# Altium PCB A1_v40.PcbDoc (part 2 of 2)
Units mm, origin at the board's own origin, x right, y up, seen from the top; angles counter-clockwise.
Board outline 100 x 80 mm, 2 copper layers (Top Layer, Bottom Layer); 81 components, 87 nets, 322 pads, 40 vias.
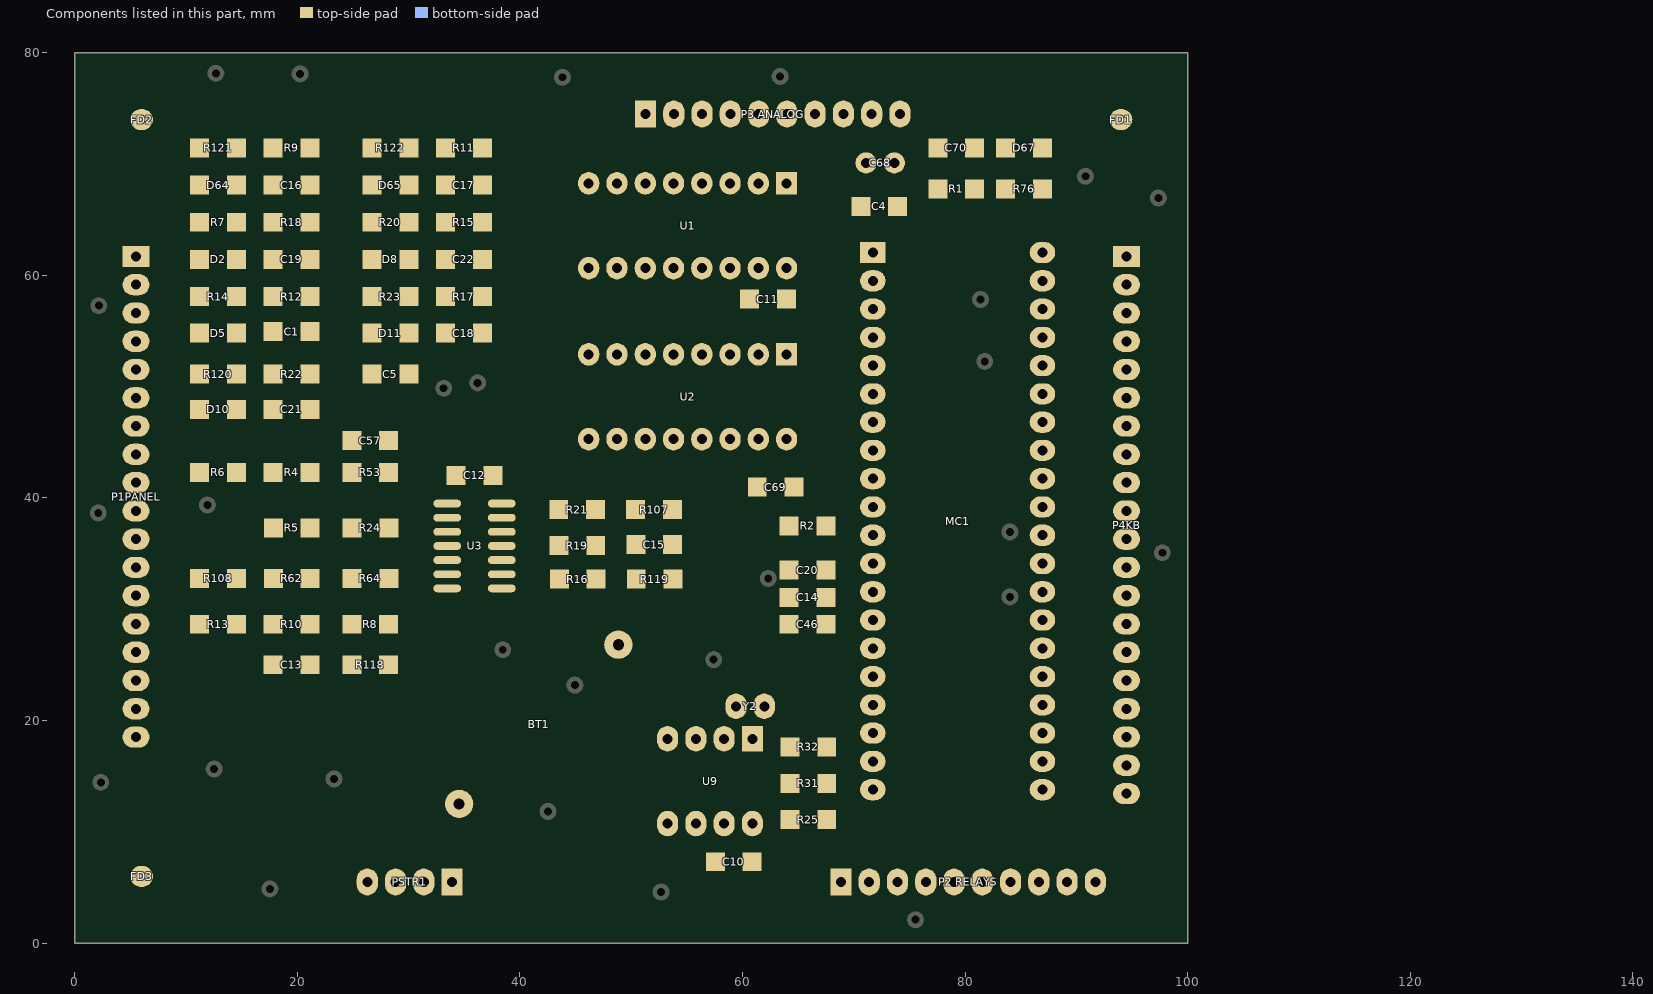
[diagram p2: the components of this part, seen from the top]

## Polygon pours and split planes (outlines as drawn) (continued)
FLDIRIN on Top Layer "FLDIRIN_L01_P066" (solid, pour order 66): 22.276,38.684 22.912,38.684 cw(c22.912,37.644) 23.647,38.379 23.756,38.271 cw(c22.975,37.49) 24.079,37.49 25.123,37.49 ccw(c25.123,38.097) 25.552,37.668 ccw(c25.123,38.097) 25.73,38.097 25.73,38.151 25.377,38.151 cw(c25.377,40.059) 24.028,38.71 ccw(c23.17,37.851) 23.17,39.065 22.745,39.065 ccw(c22.745,38.545) 22.377,38.913
NetR4_2 on Top Layer "NETR4_2_L01_P064" (solid, pour order 64): 13.767,41.427 17.312,41.427 cw(c17.312,38.887) 19.108,40.683 19.761,40.03 19.764,40.03 ccw(c19.764,40.637) 20.193,40.208 19.064,41.337 cw(c20.018,42.291) 18.669,42.291 ccw(c17.504,42.291) 18.328,43.115 18.288,43.155 14.338,43.155 ccw(c14.338,42.634) 13.97,43.002 cw(c13.847,42.88) 14.021,42.88 14.021,42.799
GND on Top Layer "GND_L01_P062" (solid, pour order 62): 18 vertices, not listed, extent 36.22,40.259 40.996,43.815
VCC on Top Layer "VCC_L01_P060" (solid, pour order 60): 27 vertices, not listed, extent 31.521,40.361 35.56,46.431
VCC on Top Layer "VCC_L01_P058" (solid, pour order 58): 20 vertices, not listed, extent 25.857,70.053 28.829,75.336
GND on Top Layer "GND_L01_P056" (solid, pour order 56): 19 vertices, not listed, extent 33.604,59.624 35.128,63.027
VCC on Top Layer "VCC_L01_P054" (solid, pour order 54): 19 vertices, not listed, extent 27,62.961 28.524,66.365
VCC on Top Layer "VCC_L01_P052" (solid, pour order 52): 19 vertices, not listed, extent 27,56.286 28.524,59.69
VCC on Top Layer "VCC_L01_P050" (solid, pour order 50): 23 vertices, not listed, extent 23.825,50.292 28.499,55.042
LLOP on Top Layer "LLOP_L01_P048" (solid, pour order 48): 17 vertices, not listed, extent 20.295,60.681 23.012,67.869
FLT1 on Top Layer "FLT1_L01_P046" (solid, pour order 46): 20.295,67.513 20.295,72.684 cw(c22.835,72.684) 21.039,74.48 23.203,76.644 cw(c24.46,75.387) 24.46,77.165 ccw(c25.135,77.84) 25.135,76.886 25.654,76.886 25.375,76.606 24.978,76.606 ccw(c24.978,75.479) 24.181,76.276 22.715,74.81 ccw(c24.511,73.014) 21.971,73.014 21.971,68.706
GND on Top Layer "GND_L01_P044" (solid, pour order 44): 19.202,59.893 19.202,60.171 ccw(c18.769,60.171) 19.075,60.477 ccw(c18.83,60.232) 18.83,60.579 18.542,60.579 cw(c18.665,60.702) 18.491,60.702 18.491,62.281 18.672,62.281 ccw(c18.672,62.888) 19.101,62.459 ccw(c18.856,62.704) 19.202,62.704 19.202,63.246 19.406,63.246
GND on Top Layer "GND_L01_P042" (solid, pour order 42): 18.085,67.259 18.58,67.259 cw(c18.58,66.739) 18.948,67.107 cw(c18.335,66.494) 19.202,66.494 19.202,66.37 19.369,66.537 ccw(c18.545,67.361) 19.71,67.361 19.046,68.025 cw(c19.957,68.936) 18.669,68.936 cw(c18.301,69.304) 18.301,68.783 18.085,68.783
VCC on Top Layer "VCC_L01_P040" (solid, pour order 40): 17 vertices, not listed, extent 11.278,63.094 12.903,66.777
VCC on Top Layer "VCC_L01_P038" (solid, pour order 38): 18 vertices, not listed, extent 11.887,56.083 13.081,60.046
VCC on Top Layer "VCC_L01_P036" (solid, pour order 36): 12.065,50.292 12.065,51.013 cw(c13.453,51.013) 12.471,51.994 ccw(c10.816,53.649) 13.157,53.649 13.157,53.823 12.796,54.184 cw(c13.273,54.661) 12.598,54.661 12.598,53.627 cw(c10.864,53.627) 12.09,52.4 cw(c11.109,53.381) 11.109,51.994 10.795,51.994 ccw(c10.979,51.81) 10.719,51.81 10.719,51.74
GND on Top Layer "GND_L01_P034" (solid, pour order 34): 27 vertices, not listed, extent 18.364,51.994 20.549,56.871
GND on Top Layer "GND_L01_P032" (solid, pour order 32): 29 vertices, not listed, extent 16.612,44.323 25.273,50.571
FLDIRIN on Top Layer "FLDIRIN_L01_P030" (solid, pour order 30): 25 vertices, not listed, extent 12.624,36.449 20.345,42.393
FLDIRIN on Top Layer "FLDIRIN_L01_P028" (solid, pour order 28): 12.624,42.748 ccw(c10.294,42.748) 11.941,44.396 11.811,44.526 11.979,44.694 ccw(c10.852,45.822) 12.446,45.822 cw(c12.446,45.27) 12.836,45.66 12.929,45.568 cw(c12.561,45.2) 13.081,45.2 13.081,43.561 ccw(c13.633,43.009) 12.852,43.009 12.852,42.456
BTS+_R on Top Layer "BTS+_R_L01_P026" (solid, pour order 26): 13.691,32.715 13.691,36.035 cw(c14.384,36.035) 13.894,36.525 ccw(c14.875,37.506) 14.875,36.119 15.215,36.119 15.215,34.518 ccw(c16.255,34.518) 15.519,33.782 ccw(c15.949,34.211) 15.949,33.604 18.694,33.604 18.694,32.148 cw(c18.348,32.148) 18.593,31.902 ccw(c18.47,31.78) 18.47,31.953 14.351,31.953
GND on Top Layer "GND_L01_P024" (solid, pour order 24): 22.352,31.039 22.558,31.039 ccw(c22.558,32.687) 23.724,31.521 23.828,31.626 ccw(c23.221,32.233) 24.079,32.233 ccw(c24.079,32.968) 24.6,32.448 25.095,32.944 25.461,32.578 cw(c24.81,31.928) 25.73,31.928 ccw(c25.73,29.966) 24.343,31.353 23.941,30.951 cw(c22.987,31.905) 22.987,30.556 22.631,30.556 cw(c22.631,31.597) 21.895,30.861
GND on Top Layer "GND_L01_P022" (solid, pour order 22): 28 vertices, not listed, extent 7.925,24.181 19.736,35.179
BTS+_R on Top Layer "BTS+_R_L01_P020" (solid, pour order 20): 5.512,37.897 6.746,37.897 cw(c6.746,35.357) 8.542,37.153 10.312,35.382 cw(c10.68,35.382) 10.42,35.642 11.278,36.5 8.72,39.058 ccw(c6.923,37.262) 6.923,39.802 5.486,39.802
BTS-_R on Top Layer "BTS-_R_L01_P018" (solid, pour order 18): 12.649,30.556 ccw(c13.508,30.556) 12.901,29.949 13.259,29.591 cw(c12.278,28.61) 13.665,28.61 13.665,28.448 ccw(c15.198,29.981) 15.198,27.813 17.424,27.813 17.424,29.464 14.714,29.464 cw(c14.714,31.198) 13.487,29.972 cw(c14.407,30.892) 13.106,30.892 13.106,31.242 12.957,31.391 ccw(c12.827,31.261) 12.827,31.445
BTS-_R on Top Layer "BTS-_R_L01_P016" (solid, pour order 16): 17 vertices, not listed, extent 5.41,34.595 13.106,42.316
GND on Top Layer "GND_L01_P014" (solid, pour order 14): 8.484,43.383 9.35,43.383 cw(c9.35,42.776) 9.779,43.205 ccw(c10.024,43.451) 10.024,43.104 10.744,43.104 ccw(c12.829,43.104) 11.355,41.63 11.582,41.402 9.606,41.402 cw(c9.606,43.743) 7.95,42.088 ccw(c7.705,42.333) 8.052,42.333 8.052,42.723
CONT_S_IN on Top Layer "CONT_S_IN_L01_P012" (solid, pour order 12): 18 vertices, not listed, extent 5.461,42.977 12.065,47.955
REMOTIN on Top Layer "REMOTIN_L01_P010" (solid, pour order 10): 23 vertices, not listed, extent 5.359,45.517 10.973,55.651
FLDIRIN on Top Layer "FLDIRIN_L01_P008" (solid, pour order 8): 7.087,47.727 7.087,47.979 cw(c7.52,47.979) 7.214,48.285 ccw(c6.784,48.715) 7.391,48.715 7.391,49.366 ccw(c5.83,49.366) 6.934,50.47 ccw(c6.628,50.163) 6.628,50.597 5.588,50.597 5.588,52.476 6.102,52.476 cw(c6.102,50.222) 7.696,51.816 7.867,51.646 cw(c6.071,49.849) 8.611,49.849 8.611,47.701
LLOPIN on Top Layer "LLOPIN_L01_P006" (solid, pour order 6): 20 vertices, not listed, extent 5.461,55.677 11.303,62.281
FLT1IN on Top Layer "FLT1IN_L01_P004" (solid, pour order 4): 4.318,64.556 cw(c6.858,64.556) 5.062,66.352 7.036,68.326 cw(c8.508,66.854) 8.508,68.936 11.582,68.936 11.582,67.898 ccw(c12.45,67.898) 11.836,67.285 9.637,67.285 ccw(c9.637,64.745) 7.841,66.541 7.424,66.124 ccw(c9.22,64.327) 6.68,64.327 6.68,61.747 cw(c6.435,61.993) 6.435,61.646 4.318,61.646
VCC on Top Layer "VCC_L01_P002" (solid, pour order 2): 19 vertices, not listed, extent 10.033,69.266 12.624,75.514
VCC on Top Layer "VCC_L01_P178" (solid, remove dead copper, pour order 178): 63.094,57.988 63.094,60.604 63.449,60.96 64.465,60.96 64.897,60.528 64.897,57.125 64.77,56.998 64.237,57.531 63.779,57.531
LLOP on Top Layer "LLOP_L01_P180" (solid, remove dead copper, pour order 180): 52.857,60.63 52.857,61.467 ccw(c51.383,61.467) 52.426,62.509 ccw(c51.935,62.019) 51.935,62.713 51.206,62.713 51.206,62.965 ccw(c50.773,62.965) 51.079,63.271 52.059,63.271 cw(c52.059,60.731) 53.855,62.527 54.204,62.179 cw(c52.916,60.891) 54.737,60.891 54.737,60.63
FLT1 on Top Layer "FLT1_L01_P182" (solid, remove dead copper, pour order 182): 55.397,60.63 55.397,62.094 ccw(c53.229,62.094) 54.762,63.627 54.02,64.369 ccw(c53.543,63.892) 53.543,64.567 53.634,64.567 cw(c53.634,62.027) 55.43,63.823 56.533,62.72 cw(c54.737,60.924) 57.277,60.924 57.277,60.63
DG-R_ on Top Layer "DG-R__L01_P184" (solid, remove dead copper, pour order 184): 57.963,60.579 57.963,62.041 ccw(c55.423,62.041) 57.219,63.838 56.177,64.88 ccw(c55.093,63.796) 55.093,65.329 55.093,65.42 cw(c55.179,65.42) 55.118,65.481 55.412,65.481 cw(c55.412,62.941) 57.208,64.737 59.073,62.872 cw(c57.277,61.076) 59.817,61.076 59.817,60.604
DG-Y_ on Top Layer "DG-Y__L01_P186" (solid, remove dead copper, pour order 186): 60.477,60.604 60.477,62.016 ccw(c57.937,62.016) 59.733,63.812 58.979,64.567 cw(c59.776,65.364) 58.649,65.364 58.649,65.71 61.613,62.745 cw(c59.817,60.949) 62.357,60.949 62.357,60.63
DG-R_ on Top Layer "DG-R__L01_P188" (solid, remove dead copper, pour order 188): 42.901,71.222 45.133,73.454 ccw(c45.003,73.584) 45.187,73.584 46.551,74.948 cw(c48.347,73.152) 48.347,75.692 51.181,75.692 51.181,73.672 ccw(c51.701,73.672) 51.333,73.304 46.671,73.304 ccw(c46.671,70.764) 44.874,72.56 43.383,71.069 ccw(c43.261,70.947) 43.261,71.12 43.155,71.12
DG-Y_ on Top Layer "DG-Y__L01_P190" (solid, remove dead copper, pour order 190): 51.232,70.993 ccw(c51.232,71.484) 51.579,71.137 52.68,72.238 ccw(c52.128,72.789) 52.908,72.789 52.908,74.447 54.701,74.447 cw(c54.701,74.361) 54.762,74.422 54.762,74.23 cw(c52.222,74.23) 54.018,72.433 52.509,70.924 cw(c50.713,72.72) 50.713,70.18 50.089,70.18 50.089,70.301 ccw(c49.829,70.301) 50.013,70.485
DG-B_ on Top Layer "DG-B__L01_P192" (solid, remove dead copper, pour order 192): 52.857,68.25 cw(c55.065,68.25) 53.504,69.811 54.679,70.986 ccw(c52.883,72.782) 55.423,72.782 55.423,74.473 cw(c55.484,74.411) 55.484,74.498 57.302,74.498 57.302,73.645 cw(c54.762,73.645) 56.558,71.849 55.481,70.772 ccw(c57.277,68.976) 54.737,68.976 54.737,68.326
EB-R_ on Top Layer "EB-R__L01_P194" (solid, remove dead copper, pour order 194): 55.397,68.199 cw(c57.482,68.199) 56.008,69.673 57.219,70.884 ccw(c55.423,72.68) 57.963,72.68 57.963,74.371 59.781,74.371 ccw(c59.781,74.458) 59.842,74.397 59.842,73.544 cw(c57.302,73.544) 59.098,71.748 58.021,70.67 ccw(c59.817,68.874) 57.277,68.874 57.277,68.301
EB-Y_ on Top Layer "EB-Y__L01_P196" (solid, remove dead copper, pour order 196): 60.477,68.275 60.477,74.749 cw(c61.345,74.749) 60.731,75.362 cw(c60.854,75.239) 60.854,75.413 62.103,75.413 cw(c61.428,74.738) 62.382,74.738 62.382,68.192 cw(c61.602,68.192) 62.154,67.64
EB-B_ on Top Layer "EB-B__L01_P198" (solid, remove dead copper, pour order 198): 63.017,68.25 63.017,74.702 cw(c64.058,74.702) 63.322,75.438 cw(c63.629,75.131) 63.629,75.565 64.465,75.565 64.491,75.539 cw(c63.451,74.498) 64.922,74.498 64.922,67.259 64.389,67.259
COMM1 on Top Layer "COMM1_L01_P200" (solid, remove dead copper, pour order 200): 21 vertices, not listed, extent 57.937,58.572 71.755,68.275
FREQ on Top Layer "FREQ_L01_P202" (solid, remove dead copper, pour order 202): 20 vertices, not listed, extent 65.583,62.179 76.581,74.574
VCC on Top Layer "VCC_L01_P204" (solid, remove dead copper, pour order 204): 71.476,65.354 71.476,68.293 cw(c72.169,68.293) 71.679,68.783 ccw(c70.82,69.642) 72.034,69.642 72.034,71.069 cw(c72.648,71.069) 72.214,71.503 72.263,71.552 ccw(c71.65,72.165) 72.517,72.165 72.517,74.574 ccw(c72.272,74.329) 72.272,74.676 70.663,74.676 70.663,71.6 cw(c70.056,71.6) 70.485,71.171 ccw(c72.141,69.515) 69.799,69.515 69.799,66.446
VCC on Top Layer "VCC_L01_P206" (solid, remove dead copper, pour order 206): 20 vertices, not listed, extent 70.663,66.929 84.48,78.08
GND on Top Layer "GND_L01_P208" (solid, remove dead copper, pour order 208): 22 vertices, not listed, extent 72.695,65.38 78.283,74.473
NetMC1_1 on Top Layer "NETMC1_1_L01_P210" (solid, remove dead copper, pour order 210): 24 vertices, not listed, extent 71.577,60.325 78.384,68.605
NetC70_1 on Top Layer "NETC70_1_L01_P212" (solid, remove dead copper, pour order 212): 21 vertices, not listed, extent 80.01,64.973 87.757,72.263
RL_BUZZER on Top Layer "RL_BUZZER_L01_P214" (solid, remove dead copper, pour order 214): 19 vertices, not listed, extent 66.65,36.652 71.73,50.292
SDA on Top Layer "SDA_L01_P216" (solid, remove dead copper, pour order 216): 31 vertices, not listed, extent 63.424,6.604 87.046,19.812
LED_MANUAL on Top Layer "LED_MANUAL_L01_P218" (solid, remove dead copper, pour order 218): 28 vertices, not listed, extent 80.594,5.385 94.564,29.591
RL_BUZZER on Top Layer "RL_BUZZER_L01_P220" (solid, remove dead copper, pour order 220): 74.905,16.332 ccw(c75.579,17.007) 75.579,16.053 75.641,16.053 ccw(c75.641,16.727) 76.118,16.25 76.2,16.332 ccw(c75.28,17.252) 76.581,17.252 76.581,40.284 ccw(c76.09,40.284) 76.437,40.631 76.225,40.843 ccw(c75.98,40.598) 75.98,40.945 75.685,40.945 ccw(c75.685,40.164) 75.133,40.716 ccw(c76.237,39.612) 74.676,39.612 74.676,16.739 ccw(c75.105,16.739) 74.802,16.435
DGSTOP on Top Layer "DGSTOP_L01_P222" (solid, remove dead copper, pour order 222): 27 vertices, not listed, extent 71.603,9.652 79.654,42.443
FREQ on Top Layer "FREQ_L01_P224" (solid, remove dead copper, pour order 224): 19 vertices, not listed, extent 80.035,20.879 82.398,43.459
AUTO on Top Layer "AUTO_L01_P226" (solid, remove dead copper, pour order 226): 21 vertices, not listed, extent 86.868,42.977 94.615,62.992
UP on Top Layer "UP_L01_P228" (solid, remove dead copper, pour order 228): 21 vertices, not listed, extent 86.919,40.437 94.64,60.452
DOWN on Top Layer "DOWN_L01_P230" (solid, remove dead copper, pour order 230): 21 vertices, not listed, extent 86.868,37.897 94.59,57.912
MENU on Top Layer "MENU_L01_P232" (solid, remove dead copper, pour order 232): 21 vertices, not listed, extent 86.919,35.357 94.513,55.372
RESET on Top Layer "RESET_L01_P234" (solid, remove dead copper, pour order 234): 21 vertices, not listed, extent 86.817,32.817 94.59,45.212
GND on Top Layer "GND_L01_P236" (solid, remove dead copper, pour order 236): 46 vertices, not listed, extent 73.711,11.379 87.071,64.16
GND on Bottom Layer "GND_L02_P340" (solid, pour order 340): 27 vertices, not listed, extent 72.695,45.39 97.968,69.24
GND on Bottom Layer "GND_L02_P338" (solid, pour order 338): 29 vertices, not listed, extent 1.016,65.532 36.83,78.969
GND on Bottom Layer "GND_L02_P336" (solid, pour order 336): 44 vertices, not listed, extent 1.016,1.168 30.734,73.913
GND on Bottom Layer "GND_L02_P334" (solid, pour order 334): 17 vertices, not listed, extent 26.187,47.066 38.303,56.718
GND on Bottom Layer "GND_L02_P332" (solid, pour order 332): 47.269,62.433 45.731,62.433 ccw(c45.731,59.893) 43.935,61.689 42.806,60.561 cw(c41.01,62.357) 41.01,59.817 30.516,59.817 cw(c30.516,62.357) 28.72,60.561 27.668,61.613 cw(c29.464,63.409) 26.924,63.409 26.924,66.37 29.462,68.908 ccw(c28.291,70.079) 29.947,70.079 32.987,67.038 ccw(c34.783,68.834) 34.783,66.294 48.438,66.294
GND on Bottom Layer "GND_L02_P330" (solid, remove dead copper, pour order 330): 48 vertices, not listed, extent 26.924,62.433 82.906,78.943
GND on Bottom Layer "GND_L02_P328" (solid, remove dead copper, pour order 328): 44 vertices, not listed, extent 57.887,1.219 99.111,78.943
GND on Bottom Layer "GND_L02_P326" (solid, pour order 326): 17 vertices, not listed, extent 13.97,1.194 41.58,5.944
GND on Bottom Layer "GND_L02_P324" (solid, remove dead copper, pour order 324): 51 vertices, not listed, extent 7.645,1.219 62.078,28.423
GND on Bottom Layer "GND_L02_P322" (solid, remove dead copper, pour order 322): 86 vertices, not listed, extent 7.62,12.573 71.679,42.774
S0 on Bottom Layer "S0_L02_P320" (solid, remove dead copper, pour order 320): 22 vertices, not listed, extent 42.164,52.019 52.197,60.63
S2 on Bottom Layer "S2_L02_P318" (solid, remove dead copper, pour order 318): 40.513,52.197 40.307,52.403 cw(c40.914,53.01) 40.056,53.01 40.056,53.891 cw(c40.75,53.891) 40.259,54.381 45.014,59.136 cw(c46.228,57.922) 46.228,59.639 46.228,61.671 45.541,60.984 cw(c45.237,61.288) 45.237,60.858 cw(c43.582,60.858) 44.752,59.688 39.835,54.77 ccw(c41.631,52.974) 39.091,52.974 39.091,51.791
S1 on Bottom Layer "S1_L02_P316" (solid, remove dead copper, pour order 316): 19 vertices, not listed, extent 40.564,53.061 49.657,60.681
S1 on Bottom Layer "S1_L02_P314" (solid, remove dead copper, pour order 314): 47.777,45.237 47.777,46.522 cw(c50.317,46.522) 48.521,48.318 48.616,48.412 cw(c50.149,46.879) 50.149,49.047 52.644,49.047 cw(c52.644,48.961) 52.705,49.022 cw(c52.644,48.961) 52.73,48.961 52.73,47.523 50.702,47.523 ccw(c50.702,46.656) 50.089,47.269 ccw(c51.131,46.227) 49.657,46.227 49.657,45.161
S2 on Bottom Layer "S2_L02_P312" (solid, remove dead copper, pour order 312): 18 vertices, not listed, extent 45.237,45.288 57.734,49.911
CONT_SENSE on Bottom Layer "CONT_SENSE_L02_P310" (solid, remove dead copper, pour order 310): 36 vertices, not listed, extent 42.215,45.237 59.284,50.927
FAULTIND on Bottom Layer "FAULTIND_L02_P308" (solid, remove dead copper, pour order 308): 20 vertices, not listed, extent 86.919,28.092 94.488,47.422
LCD_DB#7 on Bottom Layer "LCD_DB#7_L02_P306" (solid, remove dead copper, pour order 306): 25 vertices, not listed, extent 86.843,30.632 94.539,49.936
LCD_DB#6 on Bottom Layer "LCD_DB#6_L02_P304" (solid, remove dead copper, pour order 304): 27 vertices, not listed, extent 86.893,33.172 94.488,52.502
LCD_DB#5 on Bottom Layer "LCD_DB#5_L02_P302" (solid, remove dead copper, pour order 302): 29 vertices, not listed, extent 86.868,35.712 94.564,55.042
LCD_DB#4 on Bottom Layer "LCD_DB#4_L02_P300" (solid, remove dead copper, pour order 300): 20 vertices, not listed, extent 86.944,45.872 94.59,57.556
LCD_E# on Bottom Layer "LCD_E#_L02_P298" (solid, remove dead copper, pour order 298): 20 vertices, not listed, extent 86.893,48.412 94.564,60.096
LCD_RS# on Bottom Layer "LCD_RS#_L02_P296" (solid, remove dead copper, pour order 296): 20 vertices, not listed, extent 86.868,50.952 94.005,62.636
CONT_SENSE on Bottom Layer "CONT_SENSE_L02_P294" (solid, remove dead copper, pour order 294): 71.73,43.307 67.631,43.307 cw(c67.631,44.695) 66.65,43.713 cw(c67.079,44.143) 66.472,44.143 66.472,44.501 cw(c67.146,44.501) 66.669,44.978 66.827,45.136 cw(c67.011,44.952) 67.011,45.212 71.755,45.212
S2 on Bottom Layer "S2_L02_P292" (solid, remove dead copper, pour order 292): 67.005,47.092 cw(c67.312,47.092) 67.095,47.308 67.234,47.447 cw(c67.97,46.711) 67.97,47.752 71.78,47.752 71.78,45.934 cw(c71.694,45.934) 71.755,45.872 67.735,45.872 cw(c67.735,46.653) 67.183,46.101 cw(c67.674,46.592) 66.98,46.592 66.98,46.787
GCONTACT on Bottom Layer "GCONTACT_L02_P290" (solid, remove dead copper, pour order 290): 23 vertices, not listed, extent 85.674,5.309 94.539,24.536
MCONTACT on Bottom Layer "MCONTACT_L02_P288" (solid, remove dead copper, pour order 288): 27 vertices, not listed, extent 83.134,5.461 94.539,27.102
DGSTOP on Bottom Layer "DGSTOP_L02_P286" (solid, remove dead copper, pour order 286): 78.054,5.385 78.054,10.466 cw(c79.095,10.466) 78.359,11.201 cw(c78.788,10.772) 78.788,11.379 78.918,11.379 cw(c78.918,10.459) 79.568,11.11 79.604,11.074 cw(c78.806,10.277) 79.934,10.277 79.934,5.309
LED_MANUAL on Bottom Layer "LED_MANUAL_L02_P284" (solid, remove dead copper, pour order 284): 24 vertices, not listed, extent 71.704,5.309 83.261,27.432
FREQ on Bottom Layer "FREQ_L02_P282" (solid, remove dead copper, pour order 282): 19 vertices, not listed, extent 71.628,20.904 81.788,24.892
RL_7 on Bottom Layer "RL_7_L02_P280" (solid, remove dead copper, pour order 280): 17 vertices, not listed, extent 71.603,5.359 77.394,22.352
RL_BUZZER on Bottom Layer "RL_BUZZER_L02_P278" (solid, remove dead copper, pour order 278): 20 vertices, not listed, extent 72.974,5.461 76.352,17.805
RL_6 on Bottom Layer "RL_6_L02_P276" (solid, remove dead copper, pour order 276): 21 vertices, not listed, extent 70.434,5.486 74.117,17.272
RL_CRANK on Bottom Layer "RL_CRANK_L02_P274" (solid, remove dead copper, pour order 274): 69.799,5.055 69.799,7.203 cw(c72.339,7.203) 70.543,8.999 72.103,10.559 ccw(c70.307,12.355) 72.847,12.355 72.847,13.818 70.648,13.818 cw(c70.648,13.904) 70.587,13.843 70.587,11.06 cw(c68.047,11.06) 69.843,9.264 68.397,7.818 ccw(c69.611,6.604) 67.894,6.604
VCC on Bottom Layer "VCC_L02_P272" (solid, remove dead copper, pour order 272): 71.577,37.592 86.589,42.672 87.02,40.792 86.614,40.792 72.06,35.712
RL_BUZZER on Bottom Layer "RL_BUZZER_L02_P270" (solid, remove dead copper, pour order 270): 17 vertices, not listed, extent 71.577,39.167 76.708,50.292
FREQ on Bottom Layer "FREQ_L02_P268" (solid, remove dead copper, pour order 268): 23 vertices, not listed, extent 75.032,41.453 82.22,63.627
GND on Bottom Layer "GND_L02_P238" (solid, remove dead copper, pour order 238): 24 vertices, not listed, extent 71.679,22.835 87.147,40.132
VCC on Bottom Layer "VCC_L02_P242" (solid, remove dead copper, pour order 242): 10.033,74.803 cw(c10.708,74.803) 10.231,75.28 10.363,75.413 cw(c11.038,74.738) 11.038,75.692 27.738,75.692 cw(c27.738,74.651) 28.473,75.387 28.603,75.258 cw(c27.996,74.651) 28.854,74.651 28.854,74.421 cw(c27.814,74.421) 28.55,73.685 cw(c27.568,74.667) 27.568,73.279 11.038,73.279 cw(c11.038,74.233) 10.363,73.558 cw(c11.16,74.356) 10.033,74.356
HTIN on Bottom Layer "HTIN_L02_P244" (solid, remove dead copper, pour order 244): 5.486,60.096 14.01,60.096 ccw(c14.01,62.636) 15.806,60.84 23.81,68.844 cw(c24.46,68.194) 24.46,69.113 24.594,69.113 cw(c24.594,68.333) 25.146,68.885 25.199,68.831 cw(c24.592,68.224) 25.451,68.224 cw(c24.286,68.224) 25.11,67.401 16.67,58.961 cw(c14.874,60.757) 14.874,58.217 5.486,58.217
RSTARTIN on Bottom Layer "RSTARTIN_L02_P246" (solid, remove dead copper, pour order 246): 21 vertices, not listed, extent 5.258,53.137 25.044,62.281
EMSTPIN on Bottom Layer "EMSTPIN_L02_P248" (solid, remove dead copper, pour order 248): 26 vertices, not listed, extent 5.461,48.895 24.917,55.677
REMOT on Bottom Layer "REMOT_L02_P250" (solid, remove dead copper, pour order 250): 23 vertices, not listed, extent 22.987,56.464 40.665,58.903
VCC on Bottom Layer "VCC_L02_P252" (solid, remove dead copper, pour order 252): 55 vertices, not listed, extent 23.622,43.155 72.187,71.222
GND on Bottom Layer "GND_L02_P254" (solid, remove dead copper, pour order 254): 36 vertices, not listed, extent 8.331,31.572 48.108,42.901
GND on Bottom Layer "GND_L02_P256" (solid, remove dead copper, pour order 256): 42 vertices, not listed, extent 7.468,36.119 28.702,51.333
FLGIN on Bottom Layer "FLGIN_L02_P258" (solid, remove dead copper, pour order 258): 27 vertices, not listed, extent 5.334,30.556 48.514,41.148
FLDIRIN on Bottom Layer "FLDIRIN_L02_P260" (solid, remove dead copper, pour order 260): 21 vertices, not listed, extent 7.036,44.272 13.132,48.539
SDA on Bottom Layer "SDA_L02_P264" (solid, remove dead copper, pour order 264): 18 vertices, not listed, extent 63.17,6.579 65.126,21.234
VCC on Bottom Layer "VCC_L02_P266" (solid, remove dead copper, pour order 266): 21 vertices, not listed, extent 66.243,19.126 69.52,27.051

## Keep-outs
Keep-Out Layer:
  lines w0.203: 0,0 0,80 100,80 100,0 0,0
  lines w0.254: 101.586,0.28 101.586,52 138.586,52 138.586,0.28 101.586,0.28
  text "KEEPOUT LAYER" at 102.701,45.027 h1.78
  text "PCB INFORMATION:" at 102.701,39.9 h1.78
  text "PCB Name: A1 rev4" at 102.701,34 h1.78
  text "PCB: FR-4" at 102.701,28.772 h1.78
  text "THICKNESS:35MICRONS" at 102.701,23.645 h1.78
  text "LAYERS TO PRINT:" at 102.701,18.517 h1.78
  text "TOP LAYER CU" at 110.803,15.088 h1.52
  text "TOP LEGEND" at 110.803,11.945 h1.52
  text "TOP SOLDER" at 110.803,8.801 h1.52
  text "BOTTOM SOLDER" at 110.803,5.658 h1.52
  text "BOTTOM LAYER CU" at 110.803,2.515 h1.52

## Other copper
Top Layer:
  text "TOP LAYER CU" at 101.558,77.572 h1.78
  text "SIMCONS A1 rev4" at 8.941,17.145 h2.54
  text "COMPONENT SIDE" at 5.715,10.109 h1.27
Bottom Layer:
  text "BOTTOM LAYER CU" at 101.558,72.073 h1.78
  text "SIMCONS   A1 rev4" at 15.9,21.184 h1.52 r180

## Silkscreen, mask and mechanical layers (free items; w line width, h text height)
Top Overlay:
  the board outline again, w0.203
  text "S/N:" at 57.48,78.867 h2.29 r180
  text "TOP LEGEND" at 101.558,66.574 h1.78
  text "SIMCONS CONTROL SYSTMES" at 91.643,13.538 h2.03 r90
  text "A1 rev4" at 19.761,1.473 h2.03
Top Paste:
  the board outline again, w0.254
Top Solder:
  rectangle: 59.334,23.266 61.976,31.42
  lines w0.203: 0,0 0,80 100,80 100,0 0,0
  text "TOP SOLDER" at 101.558,61.075 h1.78
Bottom Solder:
  the board outline again, w0.203
  text "BOTTOM SOLDER" at 101.558,55.576 h1.78